# Altium PCB RemoteControl.PcbDoc (part 1 of 2)
Units mil, origin at the board's own origin, x right, y up, seen from the top; angles counter-clockwise.
Board outline 3948.03 x 2641.7 mil, 2 copper layers (Top Layer, Bottom Layer); 63 components, 51 nets, 247 pads, 381 vias.
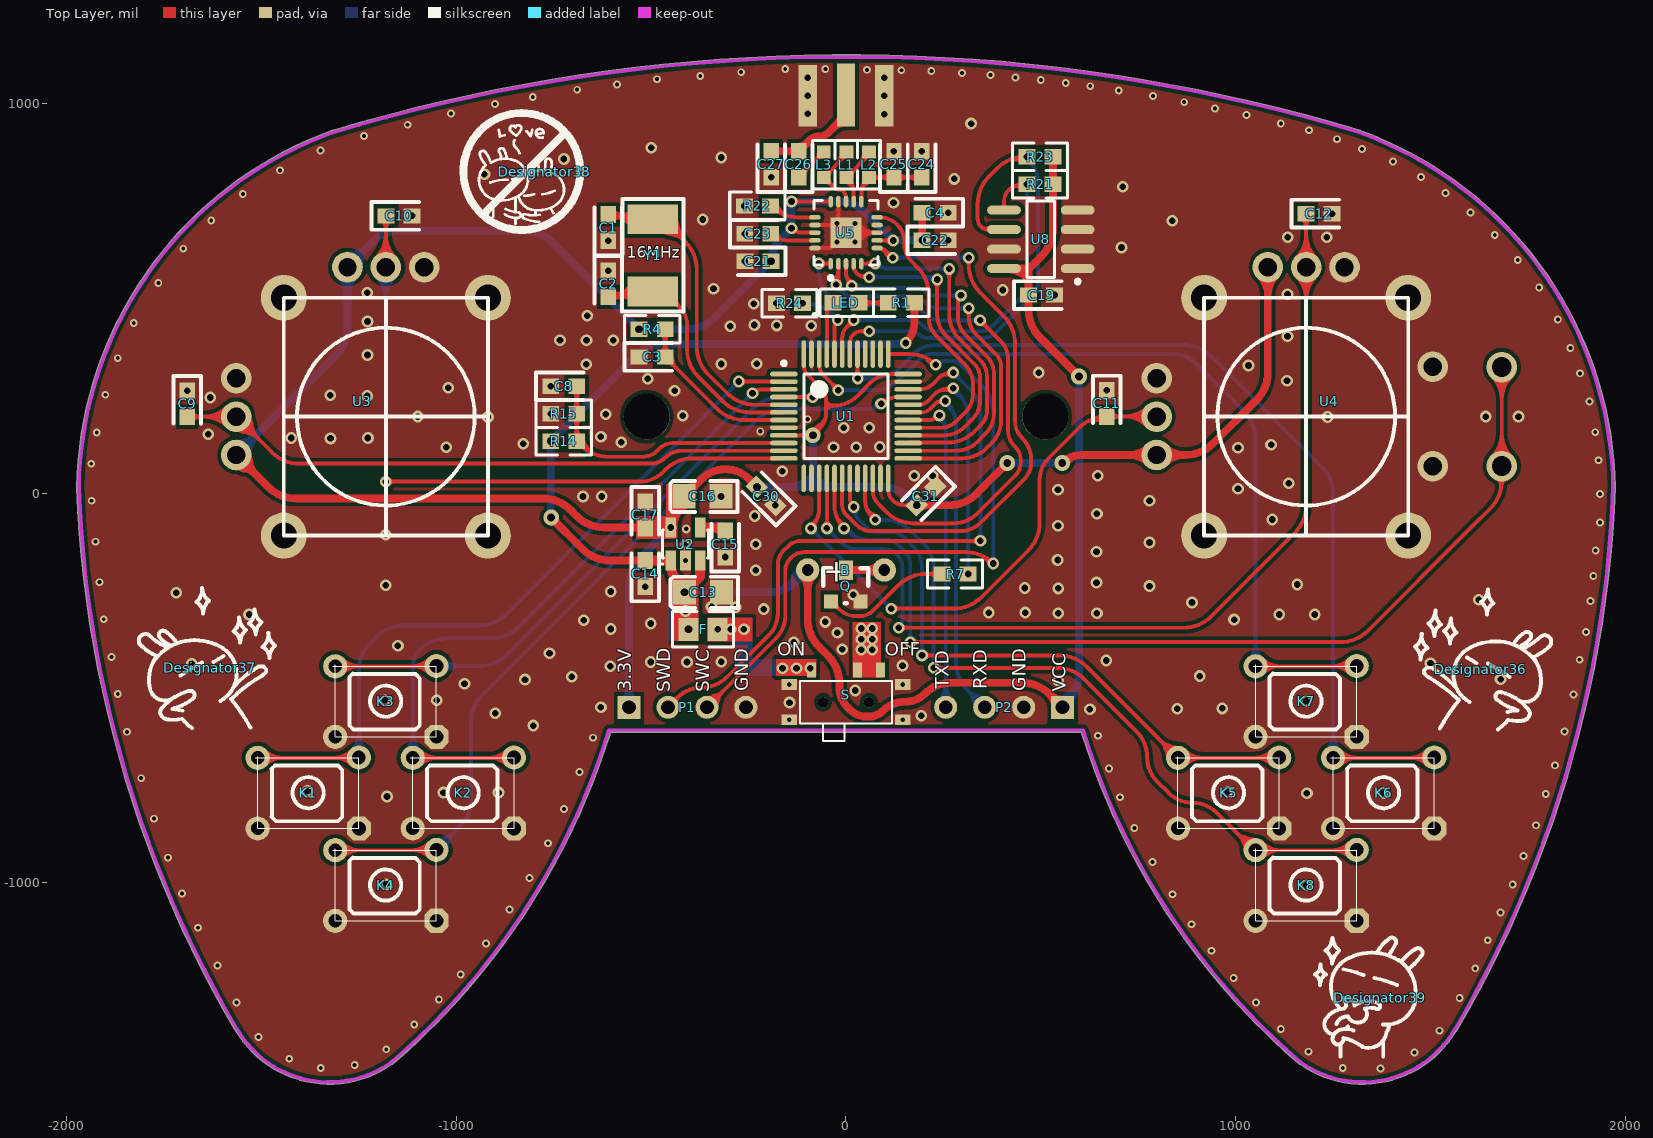
[diagram p0: Top Layer view]
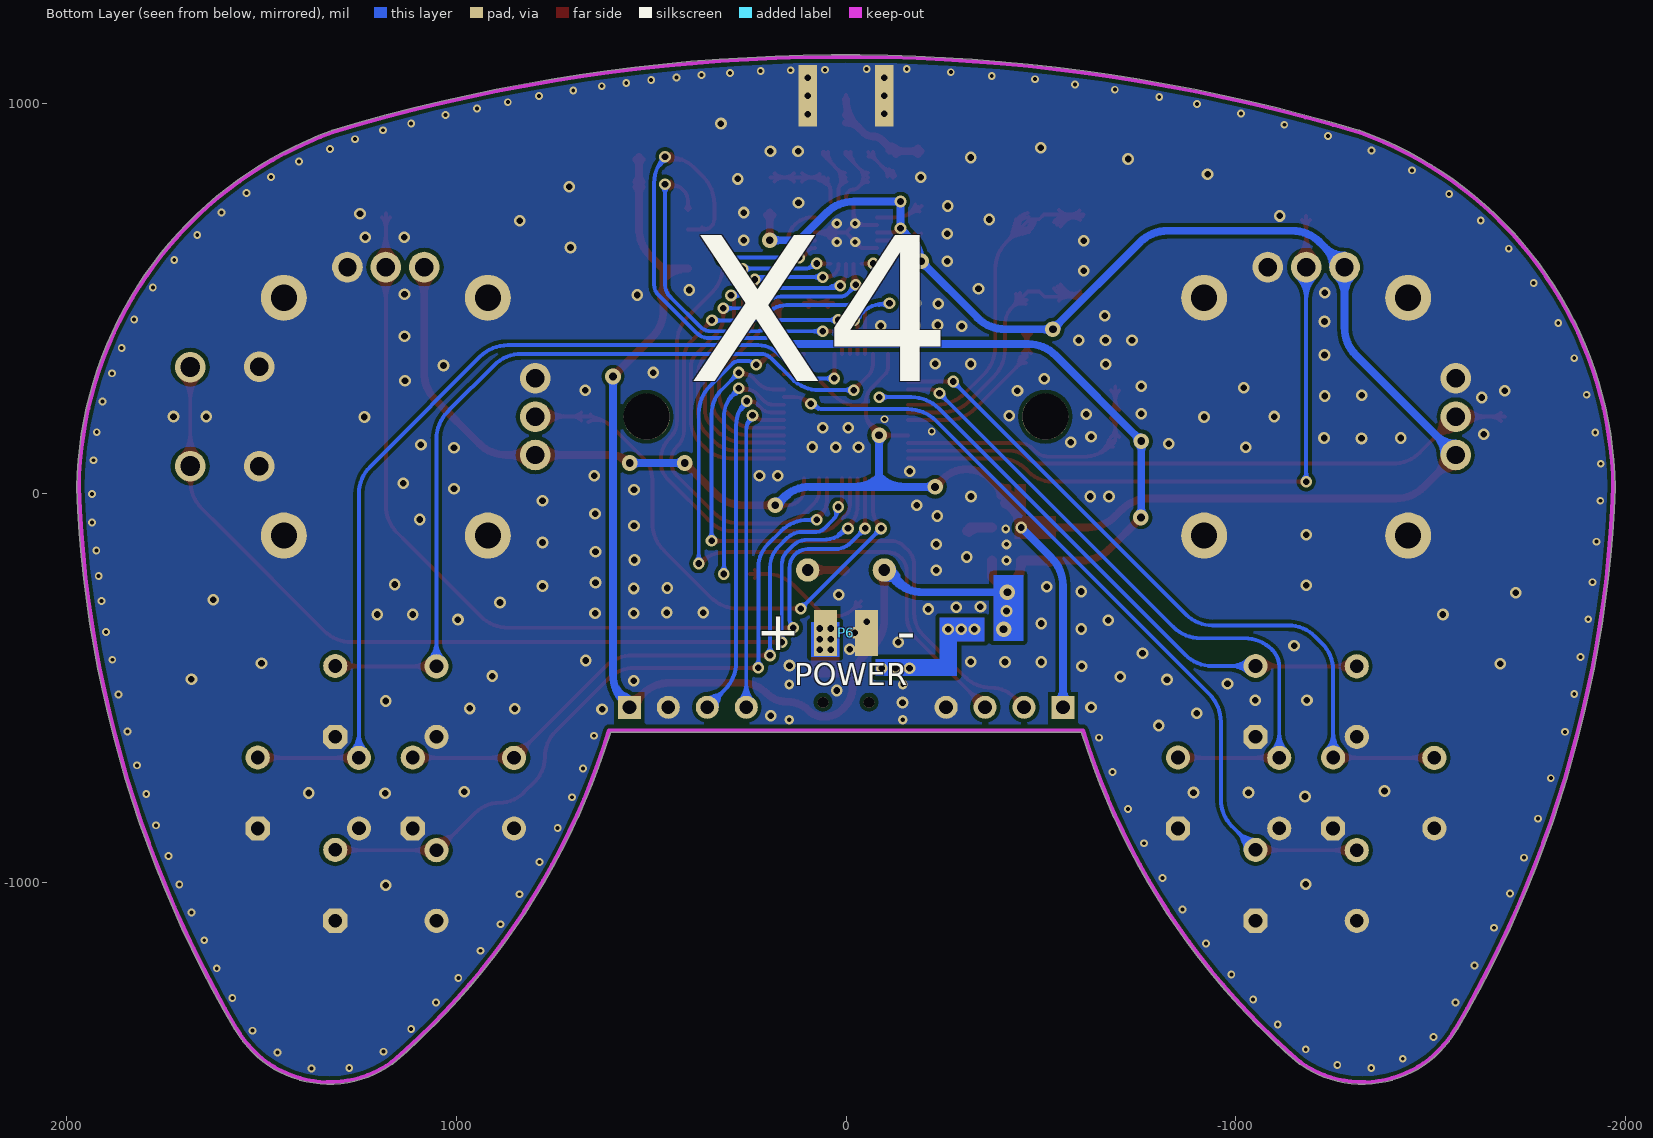
[diagram p1: Bottom Layer view, seen from below]
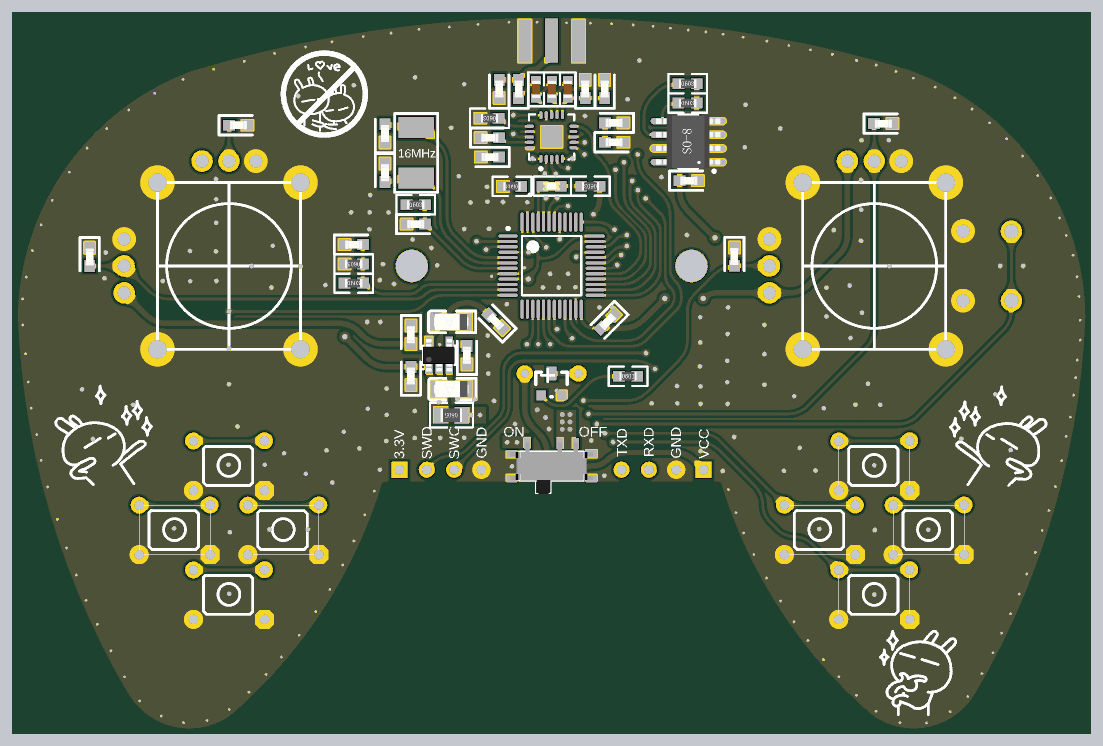
[diagram p3: 3D render of the assembled board from above, using the file's embedded part models]

## Layer stack, top to bottom
Top Layer: signal copper 1.4
Dielectric: dielectric 12.6, FR-4, Dk 4.8
Bottom Layer: signal copper 1.4

## Board outline
-1567.54,-1377.4 ccw(c-1326,-1237) -1164.21,-1464.77 ccw(c-1165.93,-1460.05) -1162.66,-1463.86 ccw(c-2361.5,-68.5) -604.3,-613.01 604.3,-613.01 ccw(c2361.5,-68.5) 1162.66,-1463.86 ccw(c1165.93,-1460.05) 1164.21,-1464.77 ccw(c1326,-1237) 1567.54,-1377.4 ccw(c1564.83,-1373.18) 1569.16,-1375.72 ccw(c-988,123) 1974.01,14.8 ccw(c1969,14.99) 1974.01,14.99 ccw(c1969,14.99) 1973.88,16.16 ccw(c984.5,0) 1320.31,930.79 ccw(c1316.53,927.49) 1317.97,932.3 ccw(c2.32,-3450.23) -1315.41,931.67 ccw(c-1316.6,926.8) -1318.29,931.52 ccw(c-984.5,0) -1973.89,16.09 ccw(c-1969,14.99) -1974.01,14.8 ccw(c988,123) -1569.16,-1375.72 ccw(c-1564.83,-1373.18)

## Design rules (kind name [scope] priority, off if disabled: settings)
AcuteAngle [All] p1: minimum=6.00000000000000E+0001 checktracksonly=FALSE
Clearance [All] p1: gap=7.87
ComponentClearance [All] p1: gap=0 collisioncheckmode=3 verticalgap=0 showdistances=FALSE
MinimumSolderMaskSliver [All] p1: minsoldermaskwidth=1.8
PolygonConnect [All] p1: connectstyle=Direct reliefconductorwidth=10 reliefentries=4 polygonreliefangle="90 Angle" airgapwidth=10
RoutingVias [All] p1: holewidth=17 width=30 viastyle="Through Hole" minholewidth=8 minwidth=16 maxholewidth=28 maxwidth=50
SilkToSilkClearance [All] p1: silktosilkclearance=0
SilkToSolderMaskClearance [IsPad] p1: minsilkscreentomaskgap=0 clearancetoexposedcopper=TRUE
SolderMaskExpansion [All] p1: expansion=4
Width Width_1 [All] p1: maxlimit=50 minlimit=8 preferedwidth=10
24 further rules are at their usual default settings.

## Classes and differential pairs
component class 遥控器: B C1 C2 C3 C4 C8 C9 C10 C11 C12 C13 C14 C15 C16 C17 C19 C21 C22 C23 C24 C25 C26 C27 C30 C31 F K1 K2 K3 K4 K5 K6 K7 K8 L1 L2 L3 LED P1 P2 P6 Q R1 R4 R7 R14 R15 R21 R22 R23 R24 S U1 U2 U3 U4 U5 U8 Y1

## Components (designator, comment, footprint, x,y, rotation, side; value= is the part's Value field where it differs from the comment)
B "Buzzer Piezo" BUZZER -98.43,-196.85 r0 top locked
C1 "22pF" CC1608-0603 -610,682 r90 top
C2 "22pF" CC1608-0603 -610,538 r270 top
C3 "104" CC1608-0603 -497.46,350 r0 top
C4 "104" CC1608-0603 229,720.6 r180 top
C8 "104" CC1608-0603 -724.46,275 r0 top
C9 "104" CC1608-0603 -1691,230 r270 top
C10 "104" CC1608-0603 -1147,712 r0 top
C11 "104" CC1608-0603 669,231 r270 top
C12 "104" CC1608-0603 1214,718 r0 top
C13 "4.7μF" TAN-A-3216 -367,-254 r180 top
C14 "104" CC1608-0603 -515,-206 r90 top
C15 "104" CC1608-0603 -310,-130 r90 top
C16 "10μF" TAN-A-3216 -368,-8 r180 top
C17 "104" CC1608-0603 -515,-55 r270 top
C19 "104" CC1608-0603 502,509 r0 top
C21 "10nF" CC1608-0603 -226,595.6 r180 top
C22 "1nF" CC1608-0603 229,649.6 r0 top
C23 "33nF" CC1608-0603 -226.46,666.6 r0 top
C24 "2.2nF" CC1608-0603 194,844.6 r90 top
C25 "4.7pF" CC1608-0603 123,844.6 r90 top
C26 "1.5pF" CC1608-0603 -121,844.6 r90 top
C27 "1.0pF" CC1608-0603 -192,844.6 r90 top
C30 "104" CC1608-0603 -205,-7 r135 top
C31 "104" CC1608-0603 205,-7 r225 top
Designator36 "Comment" TUSIJI_2 1628,-451 r0 top
Designator37 "Comment" TUSIJI_2 -1633,-448 r180 top
Designator38 "Comment" TUSIJI_24 -774,825 r0 top
Designator39 "Comment" TUSIJI_25 1370,-1294 r0 top
F "500mA" CR2012-0805 -367,-349 r180 top
K1 "KEY" KEY2 -1380,-768 r0 top locked
K2 "KEY" KEY2 -982,-768 r0 top locked
K3 "KEY" KEY2 -1181,-533 r0 top locked
K4 "KEY" KEY2 -1181,-1005 r0 top locked
K5 "KEY" KEY2 982,-768 r0 top locked
K6 "KEY" KEY2 1380,-768 r0 top locked
K7 "KEY" KEY2 1181,-533 r0 top locked
K8 "KEY" KEY2 1181,-1005 r0 top locked
L1 "8.2nH" CC1608[0603] 1,843.6 r90 top
L2 "2.7nH" CC1608[0603] 59,843.6 r90 top
L3 "3.9nH" CC1608[0603] -57,843.6 r270 top
LED "LED Chip" CLED1608-0603 0,489 r180 top
P1 "SWD" HDR1X4 -557,-549 r0 top locked
P2 "USART" HDR1X4 556,-549 r180 top locked
P6 "电池" TAN-B-3528 0,-358 r0 bottom
Q "S8050" SOT-23 2,-197 r0 top
R1 "500Ω" CR1608-0603 142,489 r180 top
R4 "10K" CR1608-0603 -497.46,421 r0 top
R7 "10K" CR1608-0603 280,-207 r0 top
R14 "10K" CR1608-0603 -724.46,134 r0 top
R15 "10K" CR1608-0603 -724.46,204 r180 top
R21 "10K" CR1608-0603 498,793 r0 top
R22 "22K" CR1608-0603 -227.46,737.6 r180 top
R23 "10K" CR1608-0603 498,864 r0 top
R24 "10K" CR1608-0603 -145,488 r180 top
S "电源开关" MSK-12C02-1 0,-536 r0 top locked
U1 "STM32F103C8T6" LQFP48_N 0,198 r0 top
U2 "SP6201EM5-L-3.3" SO-G5/NS -412,-130 r180 top
U3 "摇杆z" 摇杆#1 -1181.1,196.85 r90 top locked
U4 "摇杆y" 摇杆#2 1181.1,196.85 r90 top locked
U5 "nRF24L01+" QFN50P400X400-20V5N 0,669 r90 top
U8 "24C04" SOP-8N 500,652 r180 top
Y1 "16MHz" TAN-C-6032 -496,611 r90 top

## Footprints (in the part's own frame and the unit in brackets; to place one, negate y for a bottom-side part, rotate by r counter-clockwise, add the part's x,y. Pads: shape width x height; smd on the part's side, far side on the other; paste and mask are expansions set on the pad)
BUZZER [mil]
  round 60 hole 30: 1(0,0) 2(196.85,0)
CC1608-0603 [mm]
  rect 1.1x1 smd: 1(-0.85,0) 2(0.85,0)
  silkscreen extent -1.8,-0.9 1.3,0.9, body extent -0.8,-0.4 0.8,0.4, height 0.3
CC1608[0603] [mm] "Chip Capacitor SMD 2012(Metric) SMD 0805(Inch) 2 mm x 1.25 mm (LxW)"
  rect 0.85x0.9 smd: 1(-0.825,0) 2(0.825,0)
  silkscreen extent -1.57,-0.74 1.57,0.74, body extent -0.8,-0.4 0.8,0.4, height 0.6
CLED1608-0603 [mm]
  rect 1.1x1 smd: 1(-0.85,0) 2(0.85,0)
  silkscreen extent -1.8,-0.9 2.11,0.9, body extent -0.8,-0.4 0.8,0.4, height 0.6
CR1608-0603 [mm]
  rect 1.1x1 smd: 1(-0.85,0) 2(0.85,0)
  silkscreen extent -1.8,-0.9 1.8,0.9, body extent -0.8,-0.4 0.8,0.4, height 0.45
CR2012-0805 [mm]
  rect 1.3x1.5 smd: 1(-0.95,0) 2(0.95,0)
  silkscreen extent -2,-1.15 2,1.15, body extent -1,-0.63 1,0.63, height 0.55
HDR1X4 [mm] "Connector; Header; 4 Position"
  rect 1.5x1.5 hole 0.9: 1(0,0)
  round 1.5 hole 0.9: 2(2.54,0) 3(5.08,0) 4(7.62,0)
KEY2 [mil]
  round 62 hole 35: 1(-130,-92) 2(-129.91,89.1) 2(129.84,89.89)
  oct 62x62 hole 35: 1(129.93,-92)
  silkscreen extent -136,-92 130,93
LQFP48_N [mm]
  oval 1.8x0.3 smd: 1(-4.05,2.75) 2(-4.05,2.25) 3(-4.05,1.75) 4(-4.05,1.25) 5(-4.05,0.75) 6(-4.05,0.25) 7(-4.05,-0.25) 8(-4.05,-0.75) 9(-4.05,-1.25) 10(-4.05,-1.75) 11(-4.05,-2.25) 12(-4.05,-2.75) 25(4.05,-2.75) 26(4.05,-2.25) 27(4.05,-1.75) 28(4.05,-1.25) 29(4.05,-0.75) 30(4.05,-0.25) 31(4.05,0.25) 32(4.05,0.75) 33(4.05,1.25) 34(4.05,1.75) 35(4.05,2.25) 36(4.05,2.75)
  oval 0.3x1.8 smd: 13(-2.75,-4.05) 14(-2.25,-4.05) 15(-1.75,-4.05) 16(-1.25,-4.05) 17(-0.75,-4.05) 18(-0.25,-4.05) 19(0.25,-4.05) 20(0.75,-4.05) 21(1.25,-4.05) 22(1.75,-4.05) 23(2.25,-4.05) 24(2.75,-4.05) 37(2.75,4.05) 38(2.25,4.05) 39(1.75,4.05) 40(1.25,4.05) 41(0.75,4.05) 42(0.25,4.05) 43(-0.25,4.05) 44(-0.75,4.05) 45(-1.25,4.05) 46(-1.75,4.05) 47(-2.25,4.05) 48(-2.75,4.05)
  silkscreen extent -4.17,-2.75 2.75,3.57
MSK-12C02-1 [mm]
  round 0.7 hole 0.7: 0(-1.5,0) 0(1.5,0)
  rect 0.6x1 smd: 1(-2.25,2.1) 2(0.75,2.1) 3(2.25,2.1)
  rect 1x0.7 smd: 4(-3.7,-1.15) 4(-3.7,1.15) 4(3.7,-1.15) 4(3.7,1.15)
  silkscreen extent -3,-2.54 3,1.38, body extent -3.85,-2.6 3.85,2.2, height 1.4
QFN50P400X400-20V5N [mm]
  oval 0.75x0.3 smd: 1(-2.025,1) 2(-2.025,0.5) 3(-2.025,0) 4(-2.025,-0.5) 5(-2.025,-1) 11(2.025,-1) 12(2.025,-0.5) 13(2.025,0) 14(2.025,0.5) 15(2.025,1)
  oval 0.3x0.75 smd: 6(-1,-2.025) 7(-0.5,-2.025) 8(0,-2.025) 9(0.5,-2.025) 10(1,-2.025) 16(1,2.025) 17(0.5,2.025) 18(0,2.025) 19(-0.5,2.025) 20(-1,2.025)
  rect 2x2 smd: 21(0,0)
  silkscreen extent -3.07,-2.1 2.1,2.1, body extent -2.07,-2.07 2.07,2.07, height 1
SO-G5/NS [mm] "SOT-23; 5 Leads; Body 3 x 3 mm, inc. leads (modified)"
  rect 0.69x1.3 smd: 1(0.95,1.075) 2(0,1.075) 3(-0.95,1.075) 4(-0.95,-1.075) 5(0.95,-1.075)
  silkscreen extent -1.5,-0.9 1.55,1.35, body extent -1.5,-1.5 1.5,1.5, height 1.3
SOP-8N [mm] "SOIC, 8-Leads, Body 4.9x3.9mm, Pitch 1.27mm, IPC Medium Density"
  oval 2.2x0.6 smd: 1(-2.4,1.905) 2(-2.4,0.635) 3(-2.4,-0.635) 4(-2.4,-1.905) 5(2.4,-1.905) 6(2.4,-0.635) 7(2.4,0.635) 8(2.4,1.905)
  silkscreen extent -2.53,-2.5 0.9,2.88, body extent -3,-2.45 3,2.45, height 1.7
SOT-23 [mil]
  rect 36x50 smd: 1(-2,0)
  rect 36x36 smd: 2(-40,-80) 3(35,-80)
  silkscreen extent -60,-85 55,5
TAN-A-3216 [mm]
  rect 1.5x1.6 smd: 1(-1.2,0) 2(1.2,0)
  silkscreen extent -2.29,-1.02 2.11,1.02, body extent -1.6,-0.8 1.6,0.8, height 1.6
TAN-B-3528 [mm]
  rect 1.5x3 smd: 1(-1.35,0) 2(1.35,0)
TAN-C-6032 [mm]
  rect 1.95x3.3 smd: 1(-2.35,0) 2(2.35,0)
  silkscreen extent -3.67,-2.01 3.66,2
TUSIJI_2 [mil] "TSJ"
  silkscreen extent -168,-155 182,205
TUSIJI_24 [mil] "TSJ"
  silkscreen extent -208,-149 92,151
TUSIJI_25 [mil] "TSJ"
  silkscreen extent -167,-151 110,154
摇杆#1 [mm]
  round 3 hole 1.7: 0(-7.75,-6.65) 0(-7.75,6.65) 0(7.75,-6.65) 0(7.75,6.65)
  round 2 hole 1.2: 1(-2.5,9.75) 2(0,9.75) 3(2.5,9.75) 4(9.75,2.5) 5(9.75,0) 6(9.75,-2.5)
  silkscreen extent -7.75,-6.65 7.75,6.65
摇杆#2 [mm]
  round 3 hole 1.7: 0(-7.75,-6.65) 0(-7.75,6.65) 0(7.75,-6.65) 0(7.75,6.65)
  round 2 hole 1.2: 1(-2.5,9.75) 2(0,9.75) 3(2.5,9.75) 4(9.75,2.5) 5(9.75,0) 6(9.75,-2.5) 7(-3.225,-8.25) 7(3.25,-8.25)
  round 2 hole 1.3: 8(-3.225,-12.75) 8(3.225,-12.75)
  silkscreen extent -7.75,-6.65 7.75,6.65

## Part data
B: library part Buzzer, "Electrical Bell"
C1 C2 C3 C4 C8 C9 C10 C11 C12 C14 C15 C17 C21 C22 C23 C24 C25 C26 C27 C30 C31: library part Cap, "Capacitor"
C13 C16: library part "Cap Tan", "Polarized Capacitor (Radial)"
C19: library part "Cap Chip", "Polarized Capacitor (Radial)"
F: library part Fuse, "Fuse"
K1 K2 K3 K4 K5 K6 K7 K8: library part KYE
L1 L2 L3: library part Inductor, "Inductor"
LED: "Typical Chip LED"
P1 P2: library part "Header 4", "Header, 4-Pin"
P6: library part "Header 2", "Header, 2-Pin"
Q: library part NPN, "8050/BCW846/BCW847"
R1 R4 R7 R14 R15 R22: library part "Resistor Chip", "Resistor"
R21 R23 R24: library part "Resistor Axial", "Resistor"
S: library part SW-SPDT, "SPDT Subminiature Toggle Switch, Right Angle Mounting, Vertical Actuation"
U1: "STM32 ARM-based 32-bit MCU with 64 Kbytes Flash, 48-pin LQFP, Industrial Temperature"
U2: library part PAM3101
U3 U4: library part 摇杆
U8: library part 24CXXSOP, "??Kbit Serial  Bus EEPROM"
Y1: library part XTAL, "Crystal Oscillator"

## Free pads (board coordinates)
  round 118.11 hole 118.11: 0(-511.81,196.85) 0(511.81,196.85)
  rect 47.24x157.48 smd: 0(-98.43,1020) 0(98.43,1020)
  rect 47.24x157.48 smd far side: 0(-98.43,1020) 0(98.43,1020)
  rect 47.24x161.42 smd: 0(0,1022)

## Via types
v1: diameter 30, hole 17, Top Layer to Bottom Layer, tented both sides, 238 vias
v2: diameter 20, hole 10, Top Layer to Bottom Layer, tented both sides, 117 vias
v3: diameter 40, hole 20, Top Layer to Bottom Layer, tented both sides, 13 vias
v4: diameter 25, hole 12, Top Layer to Bottom Layer, tented both sides, 6 vias
v5: diameter 25.98, hole 12.99, Top Layer to Bottom Layer, tented top, 4 vias
v6: diameter 20, hole 12, Top Layer to Bottom Layer, tented both sides, 2 vias
v7: diameter 23, hole 12, Top Layer to Bottom Layer, tented both sides, 1 vias

## Nets (pads, with @x,y where several pads share a name; then routed paths per layer and width w, separated by ;. In a path a pad name is that pad's centre, name@x,y a point inside that pad or via, vN(x,y) a via of type N, cw(c..) or ccw(c..) an arc to the next point about the centre after c; other vN are vias at no path point)
3.3V: C4.2 C16.2 C17.2 C21.1 C22.1 C30.2 C31.2 P1.1 R4.1 U1.9 U1.24 U1.36 U1.48 U2.5 U3.1 U3.4 U4.1 U4.4 U5.7 U5.15 U5.18 | length 12639.3
  Top Layer w10: U1.9@-159.45,148.79 -85.21,148.79 v3(-85,149) -67.97,166.03 ccw(c-108.94,207) -51,207 -51,216.5 ; v1(-140,749) -139.72,748.72 U5.15@-39.37,748.72 ; v1(-140,680) ccw(c-113.44,706.56) -113.44,669 U5.18@-79.72,669 ; U1.48@-108.27,357.45 -108.27,327.79 ccw(c-73.21,327.79) -98.03,303.03 -73,278 ; v3@-80.08,149.88 cw(c-55.94,154.2) -68.2,175.43 ; -50,225 -31.5,225 ; U5.7@79.72,649.31 120.69,649.31 v1(121,649) ; U1.24@108.27,38.55 108.27,8.91 ccw(c144.91,8.91) 118.98,-16.98 119.02,-17.02 ccw(c151.98,15.98) 151.98,-30.66 ; U1.36@159.45,306.27 116.57,306.27 ccw(c116.57,230.7) 63.13,284.13 29.1,250.1 cw(c-31.5,310.7) -31.5,225 ; v3(181.34,-30.66) 151.98,-30.66 ; -123.12,670.27 ccw(c-130.11,658.14) -135.88,670.89 cw(c-130.11,658.14) -123.12,670.27 ; -123.12,670.27 cw(c-116.15,682.37) -130.05,680.99 ccw(c-116.15,682.37) -123.12,670.27 ; -73,278 -65.83,270.83 ; -73,278 -65.85,270.85 ; v3@-70.51,152.88 cw(c-56.09,156.75) -69.02,164.21 ; v3@-70.51,152.88 cw(c-56.09,156.75) -69.02,164.21 ; v3@-70.51,152.88 cw(c-56.09,156.75) -69.02,164.21 ; v3@-70.51,152.88 cw(c-56.09,156.75) -69.02,164.21 ; -67.97,166.03 ccw(c-59.61,157.66) -70.8,153.84 cw(c-59.61,157.66) -67.97,166.03 ; -67.97,166.03 cw(c-76.34,174.39) -80.16,163.2 ccw(c-76.34,174.39) -67.97,166.03 ; -65.83,270.83 cw(c-101.7,235) -51,235 ; -51,216.5 -51,235 ; -51,216.5 -50.28,217.22 cw(c-31.5,198.44) -31.5,225 ; -51,235 -47.72,231.72 ccw(c-31.5,247.93) -31.5,225 ; 151.98,-30.66 ccw(c151.98,-9.29) 168.56,-22.78 cw(c151.98,-9.29) 151.98,-30.66 ; 151.98,-30.66 cw(c151.98,-48.33) 167.25,-39.44 ccw(c151.98,-48.33) 151.98,-30.66 ; 151.98,-30.66 ccw(c151.98,-9.44) 169.18,-21.87 cw(c151.98,-9.44) 151.98,-30.66 ; 151.98,-30.66 cw(c151.98,-51.88) 169.18,-39.45 ccw(c151.98,-51.88) 151.98,-30.66 ; v1@-132.93,741.93 cw(c-116.52,725.52) -116.52,748.72 ccw(c-116.52,725.52) v1@-132.93,741.93 ; v1@-132.93,756.07 ccw(c-115.19,773.81) -115.19,748.72 cw(c-115.19,773.81) v1@-132.93,756.07 ; -121.73,148.79 ccw(c-121.73,185.73) -95.61,159.61 cw(c-121.73,185.73) -121.73,148.79 ; -120.7,148.79 cw(c-120.7,113.3) -95.61,138.39 ccw(c-120.7,113.3) -120.7,148.79 ; v3@-88.88,163.49 ccw(c-103.76,219.02) -53.97,190.28 cw(c-103.76,219.02) v3@-88.88,163.49 ; v3@-86.29,153.83 ccw(c-94.93,186.05) -66.04,169.37 cw(c-94.93,186.05) v3@-86.29,153.83 ; v3@-80.7,163.37 ccw(c-77.09,175.45) -66.17,169.15 cw(c-77.09,175.45) v3@-80.7,163.37 ; 96.1,649.31 cw(c96.1,624.1) 113.93,641.93 ccw(c96.1,624.1) 96.1,649.31 ; 97.62,649.31 ccw(c97.62,672.38) 113.93,656.07 cw(c97.62,672.38) 97.62,649.31
  Top Layer w20: U3.1@-1575.37,96.29 ccw(c-1533.51,104.87) -1544.57,63.59 ; U3.1@-1564.96,98.43 -1482.82,16.29 ccw(c-1412.11,87) -1412.11,-13 ; U3.1@-1562.83,108.84 cw(c-1571.4,66.98) -1530.13,78.04 ; -1207,-13 -1412.11,-13 ; v1(-449.4,-87.68) -514.21,-87.68 -620.41,-87.68 cw(c-620.41,12.32) -691.12,-58.39 -707.22,-42.29 ccw(c-777.93,-113) -777.93,-13 -1412.11,-13 ; C16.2@-415.24,-8 -371,36.24 ; -370.43,36.81 -371,36.24 ; v3(-228.66,16.66) -248.81,36.81 ccw(c-309.62,-24) -309.62,62 ccw(c-309.62,-24) -370.42,36.83 -371,36.24 ; v3(181.34,-30.66) 263.92,-30.66 ccw(c263.92,69.34) 334.63,-1.37 ; v3(195.54,649.6) C4.2@195.54,720.6 ; 356,20 334.63,-1.37 ; v3(414,78) 334.63,-1.37 ; v3(555,78) cw(c604.31,28.69) 604.31,98.43 U4.1@797.24,98.43 871,98.43 ccw(c871,198.43) 941.72,127.72 1053.39,239.39 ccw(c982.68,310.1) 1082.68,310.1 ; 1082.68,346 1082.68,310.1 ; U4.4@1082.68,580.71 1082.68,310.1 ; -1514.82,48.29 ccw(c-1564.96,-1.85) -1564.96,69.06 cw(c-1564.96,-1.85) -1514.82,48.29 ; -1514.82,48.29 cw(c-1464.68,98.43) -1535.59,98.43 ccw(c-1464.68,98.43) -1514.82,48.29 ; -246.59,34.59 ccw(c-230.05,51.12) -230.05,27.74 cw(c-230.05,51.12) -246.59,34.59 ; -246.59,34.59 cw(c-263.12,18.06) -239.74,18.06 ccw(c-263.12,18.06) -246.59,34.59 ; -245.73,33.73 ccw(c-228.66,50.81) -228.66,26.66 cw(c-228.66,50.81) -245.73,33.73 ; -245.73,33.73 cw(c-262.8,16.66) -238.66,16.66 ccw(c-262.8,16.66) -245.73,33.73 ; 195.54,672.98 ccw(c218.92,672.98) 202.38,656.45 cw(c218.92,672.98) 195.54,672.98 ; 195.54,672.98 cw(c172.15,672.98) 188.69,656.45 ccw(c172.15,672.98) 195.54,672.98 ; 195.54,673.74 ccw(c219.68,673.74) 202.61,656.67 cw(c219.68,673.74) 195.54,673.74 ; 195.54,673.74 cw(c171.39,673.74) 188.46,656.67 ccw(c171.39,673.74) 195.54,673.74 ; 195.54,697.22 ccw(c172.15,697.22) 188.69,713.75 cw(c172.15,697.22) 195.54,697.22 ; 195.54,697.22 cw(c218.92,697.22) 202.38,713.75 ccw(c218.92,697.22) 195.54,697.22 ; C31.2@205.48,-30.66 ccw(c205.48,-54.8) 188.41,-37.73 cw(c205.48,-54.8) C31.2@205.48,-30.66 ; C31.2@205.48,-30.66 cw(c205.48,-6.52) 188.41,-23.59 ccw(c205.48,-6.52) C31.2@205.48,-30.66 ; 396.93,60.93 ccw(c379.86,78) 404,78 cw(c379.86,78) 396.93,60.93 ; 396.93,60.93 cw(c414,43.86) 414,68 ccw(c414,43.86) 396.93,60.93 ; 575.91,90.07 ccw(c587.98,69.16) 564.66,75.41 cw(c587.98,69.16) 575.91,90.07 ; 575.91,90.07 cw(c563.84,110.98) 557.59,87.66 ccw(c563.84,110.98) 575.91,90.07 ; 726.34,98.43 ccw(c726.34,169.33) 776.48,119.19 cw(c726.34,169.33) 726.34,98.43 ; 726.34,98.43 cw(c726.34,27.52) 776.48,77.66 ccw(c726.34,27.52) 726.34,98.43 ; 868.15,98.43 ccw(c868.15,27.52) 818.01,77.66 cw(c868.15,27.52) 868.15,98.43 ; 868.15,98.43 cw(c868.15,169.33) 818.01,119.19 ccw(c868.15,169.33) 868.15,98.43 ; 1082.68,509.8 ccw(c1011.77,509.8) 1061.91,559.94 cw(c1011.77,509.8) 1082.68,509.8 ; 1082.68,509.8 cw(c1153.58,509.8) 1103.45,559.94 ccw(c1153.58,509.8) 1082.68,509.8 ; -540.28,-87.68 cw(c-540.28,-113.75) -521.85,-95.31 ccw(c-540.28,-113.75) -540.28,-87.68 ; -536.48,-87.68 ccw(c-536.48,-66.98) -521.85,-81.62 cw(c-536.48,-66.98) -536.48,-87.68 ; C17.2@-508.15,-95.31 cw(c-489.72,-113.75) -489.72,-87.68 ccw(c-489.72,-113.75) C17.2@-508.15,-95.31 ; C17.2@-508.15,-81.62 ccw(c-493.52,-66.98) -493.52,-87.68 cw(c-493.52,-66.98) C17.2@-508.15,-81.62 ; C16.2@-415.24,13.5 ccw(c-415.24,65.39) -378.55,28.7 cw(c-415.24,65.39) C16.2@-415.24,13.5 ; C16.2@-395.72,-6.03 cw(c-353.33,-6.03) -383.3,23.94 ccw(c-353.33,-6.03) C16.2@-395.72,-6.03 ; C31.2@189.58,-36.12 cw(c202.75,-49.29) 202.75,-30.66 ccw(c202.75,-49.29) C31.2@189.58,-36.12 ; C31.2@189.58,-22.42 ccw(c209.47,-2.53) 209.47,-30.66 cw(c209.47,-2.53) C31.2@189.58,-22.42
  Top Layer w25: C17.2@-515,-88.46 C17.2@-514.21,-87.68 ; U2.5@-449.94,-74.73 ccw(c-459.72,-57.79) U2.5@-440.83,-62.85 ; v1(-449.4,-87.68) -449.4,-42.16 C16.2@-415.24,-8 ; U2.5@-447.05,-86.82 cw(c-429.81,-80.55) U2.5@-442.78,-67.57 ; -438.19,-53.65 ccw(c-459.97,-30.15) C16.2@-430.76,-16.97 ; U2.5@-449.4,-94.85 cw(c-370.46,-94.85) -407.3,-25.03 ccw(c-370.46,-94.85) U2.5@-449.4,-94.85 ; -449.4,-53.39 cw(c-392.33,-53.39) -418.96,-2.92 ccw(c-392.33,-53.39) -449.4,-53.39 ; -447.67,-40.43 cw(c-415.24,-72.86) -415.24,-27 ccw(c-415.24,-72.86) -447.67,-40.43 ; C16.2@-442.92,-35.68 ccw(c-468.63,-9.97) -432.27,-9.97 cw(c-468.63,-9.97) C16.2@-442.92,-35.68